# KiCad board PANEL7x5_ADS1293.kicad_pcb (continued)
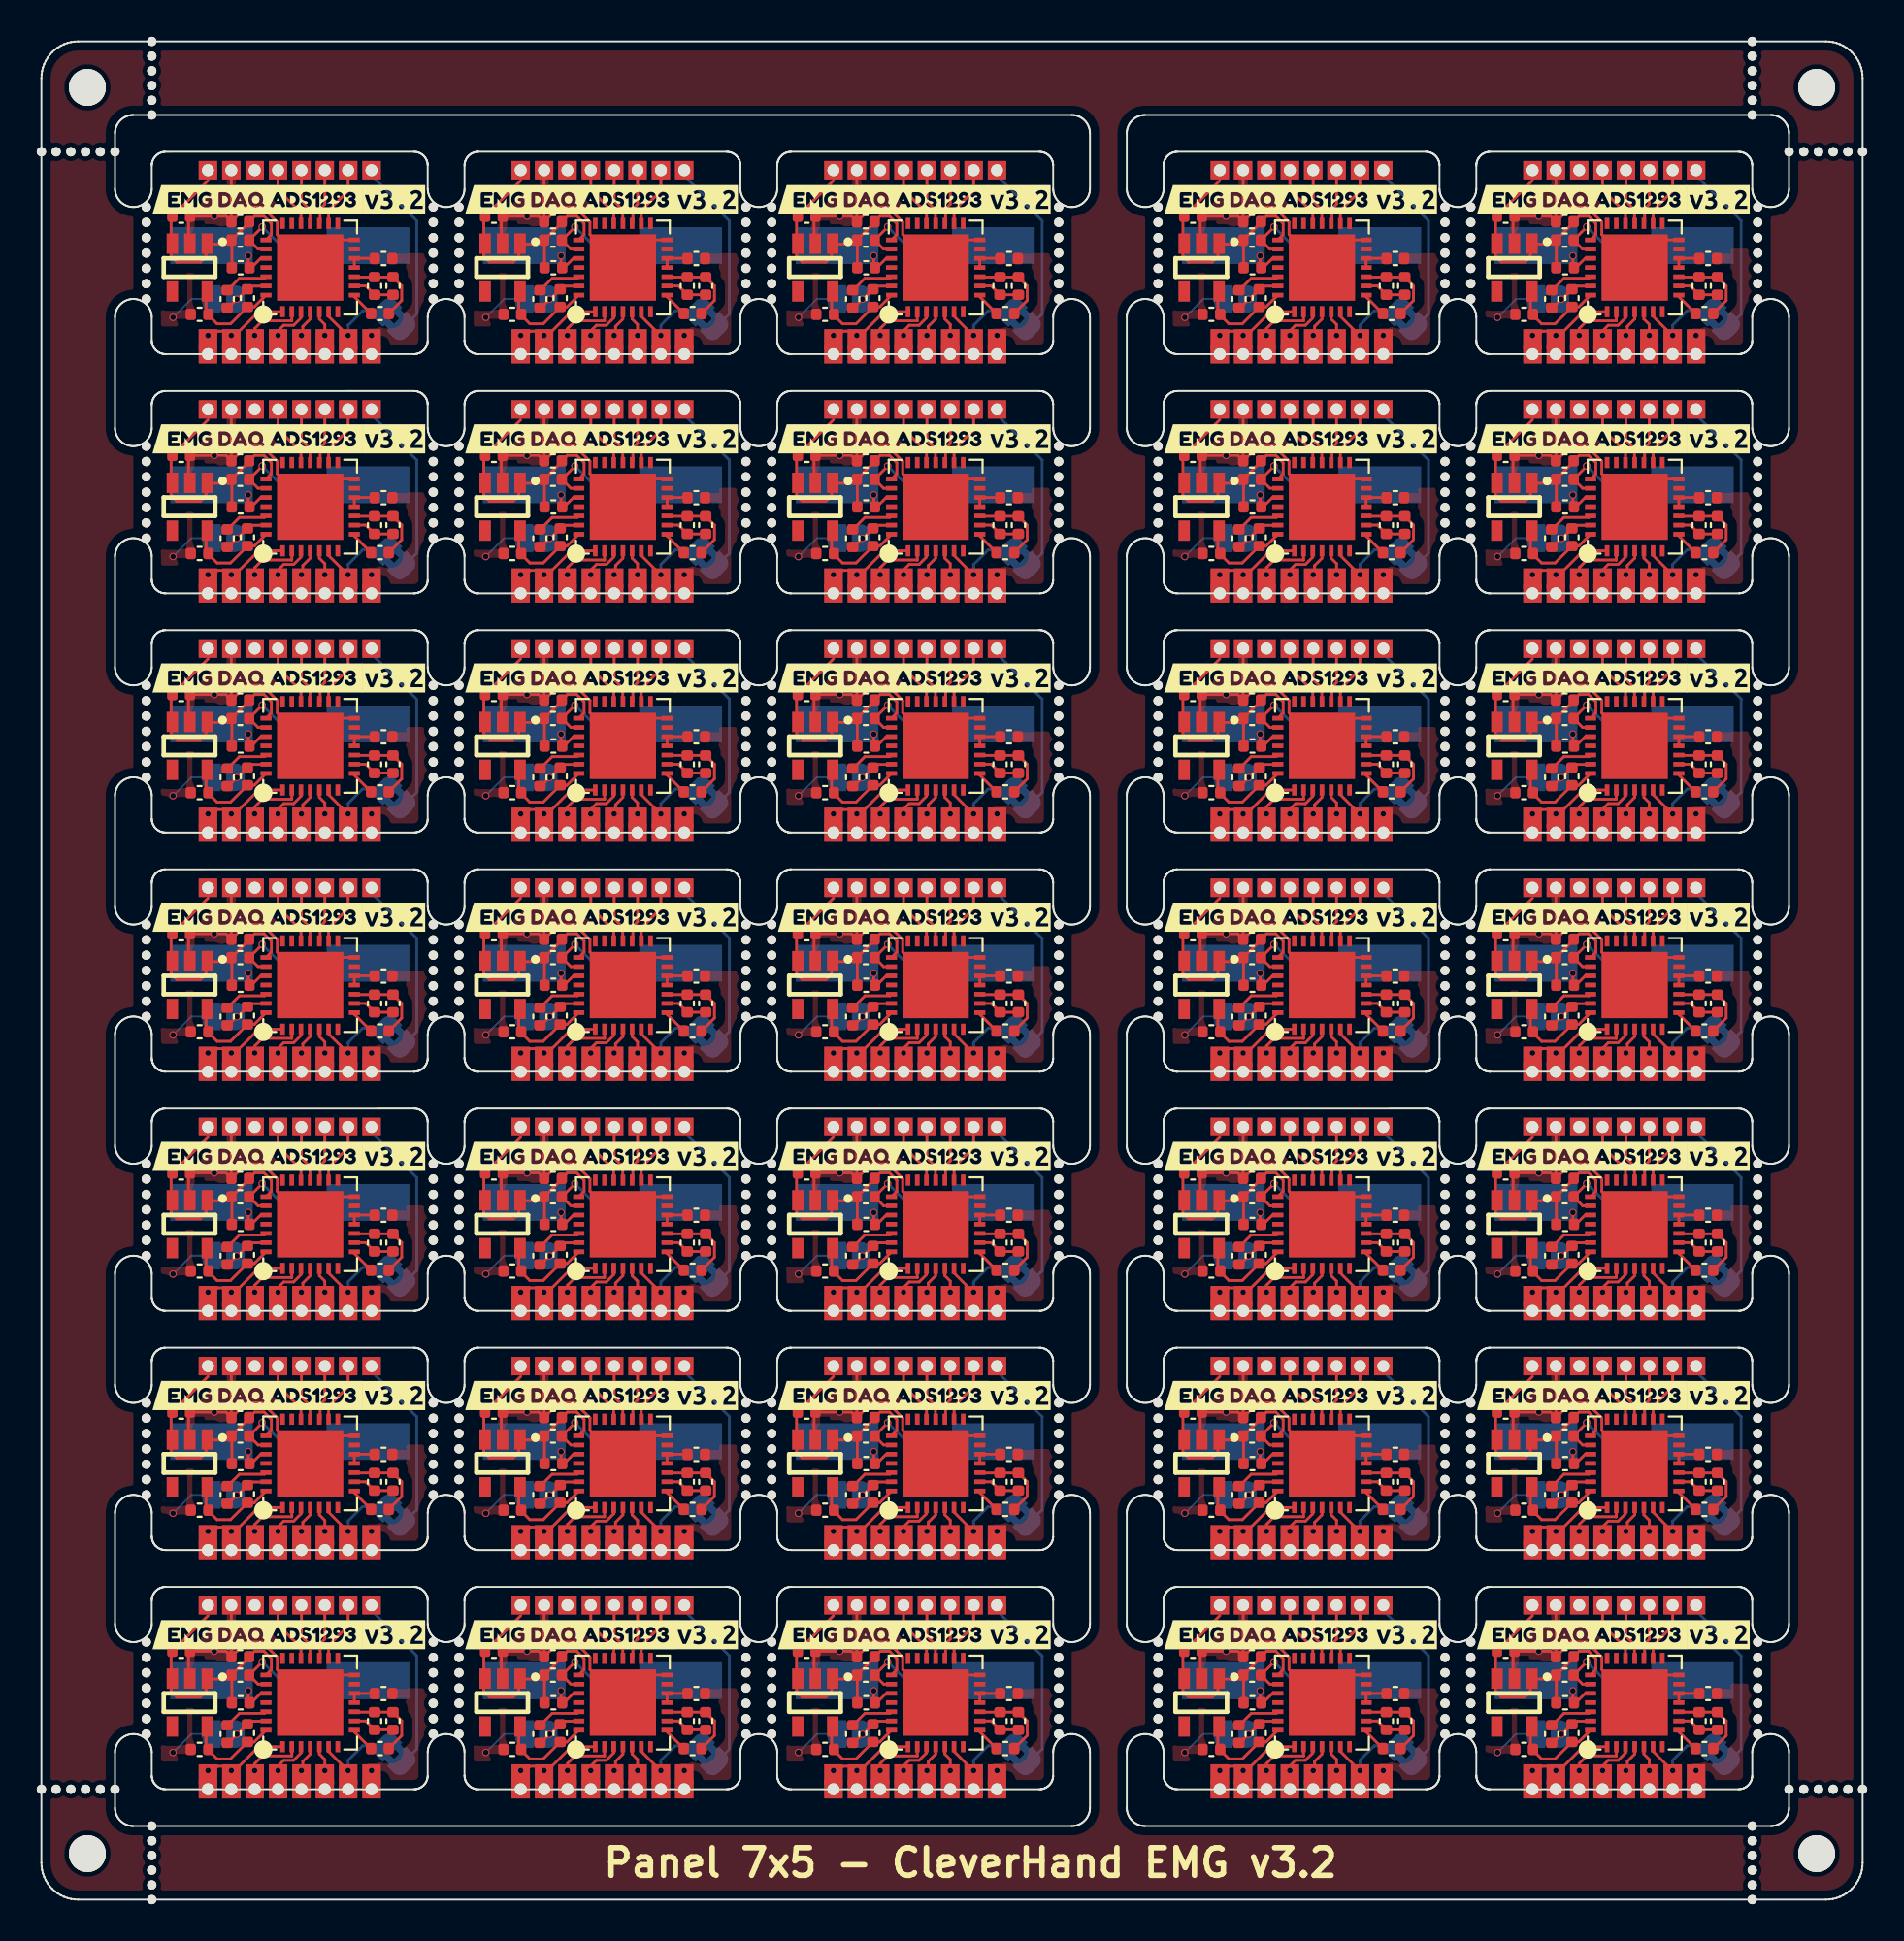
[diagram p0: board, top side]
## Routing (per net, layer and track width the routed paths; a pad name or vN(x,y) marks a point on that pad's centre or on a via; arc(x,y) is an arc through that point) (continued)
Board_0-/CMOUT: length 1.4
  Top w0.15: U1#15.8 17.01,87.12 R1#30.2
Board_0-/CSB: length 3.3
  Top w0.15: J12#17.1 16.68,92.88 15.61,91.81 U1#15.16
Board_0-/cvref: length 2.4
  Top w0.15: U1#15.26 12.12,88.12 10.77,88.12 10.12,87.48 C2#17.1
Board_0-/extRef: length 9.5
  Bottom w0.15: 18.15,93.5 20.4,91.25 20.4,86.18 JP2#7.1 ; 18.15,94 J7#23.1
Board_0-/in1: length 6.5
  Top w0.15: 10.3,85.25 10.75,85.25 11.81,86.31 U1#15.1 ; 10.3,85.25 9.57,85.25 9.34,85.02 v1(9.05,85.02) ; 10.3,85.25 10.3,85.04 v1(10.33,85.02) 10.3,85 10.3,84.09 10.33,84.09 ; 9.05,84.73 J2#29.1
Board_0-/in2: length 4
  Top w0.15: 11.59,84.09 v1(11.59,85.02) 11.59,85.39 12.01,85.81 13.61,85.81 U1#15.2
Board_0-/in3: length 3.1
  Top w0.15: U1#15.3 14.11,85.97 13.71,85.57 13.17,85.57 12.87,85.27 v1(12.87,85.02) J5#8.1
Board_0-/in4: length 2.6
  Top w0.15: J6#10.1 14.21,84.08 14.21,84.94 v1(14.14,85.02) 14.21,85.09 14.21,85.51 14.61,85.91 U1#15.4 ; 14.11,84.11 14.14,84.09
Board_0-/in5: length 2.5
  Top w0.15: 15.32,84.09 15.41,84.09 ; U1#15.5 15.11,85.91 15.41,85.62 v1(15.41,85.02) J8#7.1
Board_0-/in6: length 7.3
  Top w0.15: U1#15.6 15.61,86.06 16.68,84.99 J15#33.1
  Bottom w0.15: 18.55,85.9 18.74,86.09 JP2#7.2 17.46,86.36 16.68,85.58 v1(16.68,85.02) J15#33.1
Board_0-/PICO: length 3.1
  Top w0.15: J10#12.1 14.14,92.31 14.6,91.85 14.6,91.12 U1#15.18
Board_0-/POCI: length 3.4
  Top w0.15: U1#15.19 14.11,91.69 12.87,92.94 J9#22.1
Board_0-/RLDINV: length 4.6
  Top w0.15: U1#15.10 17.03,88.19 C6#16.1 R2#32.1 19.59,87.72 19.59,86.92 R1#30.1
Board_0-/RLDOUT: length 2.3
  Top w0.15: U1#15.9 17.63,87.71 C6#16.2 R2#32.2
Board_0-/RLDREF: length 1.6
  Top w0.15: C7#15.1 18.11,89.21 U1#15.12 U1#15.11
Board_0-/SCLK: length 2.5
  Top w0.15: 15.41,93.5 15.41,92.16 15.15,91.9 15.15,91.15 U1#15.17
Board_0-GND: length 18.1
  Top w0.15: U1#15.14 16.11,90.21 U1#15.29 12.82,90.5 12.82,91.18 12,92 11.13,92 C5#34.2 ; C5#34.2 10.33,91.21 10.33,93.5 ; C5#34.2 10.03,91.5 C9#20.2 8,91.42 8,89.98
  Bottom w0.1: JP1#30.1 8.16,87 v1(7.16,86)
  vias: v1(9.4,91.5)
Board_0-GNDA: length 2.7
  Top w0.15: U1#15.27 12.2,87.7 11.37,87.7 C1#13.2 10.66,86.99 v1(10.62,86.99) ; v1(10.62,86.99) 10.16,86.52 C2#17.2 ; v1(10.62,86.99) 10.67,86.95
  vias: v1(17.95,85.02)
Board_0-XTAL1: length 8.3
  Top w0.15: U1#15.23 11.78,89.71 C4#23.2 12,90.91 v1(12,90.92)
  Bottom w0.15: v1(12,90.92) 13.02,89.9 Y1#30.1
Board_0-XTAL2: length 4.2
  Top w0.15: v1(11.25,89.35) 11.25,88.66 11.31,88.6 11.92,89.21 U1#15.24
  Bottom w0.15: Y1#30.2 10.7,89.9 v1(11.25,89.35)
Board_1-+3.3V: length 14.8
  Top w0.15: 27.35,88.6 27.35,90.18 C4#25.1 ; C4#25.1 28.29,91.16 C5#29.1 28.59,91.5 29.1,91.5 29.5,91.1 29.5,90.5 U1#28.22 ; C4#25.1 27.12,89.98 25.95,89.98 25.95,89.31 25.64,89 24.36,89 24.05,89.31 24.05,91.43 C9#10.1 26.06,93.44 ; J13#32.1 26.06,93.94
Board_1-+3.3VA: length 5.5
  Top w0.15: 25.95,87.61 25.95,86.3 C8#33.1 26.08,86.12 26.55,85.65 27.28,85.65 C1#29.1 28.57,86.57 U1#28.28
Board_1-/CMOUT: length 1.4
  Top w0.15: R1#25.2 34.01,87.12 U1#28.8
Board_1-/CSB: length 3.3
  Top w0.15: U1#28.16 32.61,91.81 33.68,92.88 J12#13.1
Board_1-/cvref: length 2.4
  Top w0.15: U1#28.26 29.12,88.12 27.77,88.12 27.12,87.48 C2#11.1
Board_1-/extRef: length 9.5
  Bottom w0.15: 35.15,94 J7#10.1 ; JP2#3.1 37.4,86.18 37.4,91.25 35.15,93.5
Board_1-/in1: length 6.5
  Top w0.15: v1(26.06,85.02) 26.34,85.02 26.57,85.25 27.31,85.25 ; 27.31,85.25 27.31,85.04 v1(27.33,85.02) 27.31,85 27.31,84.09 27.33,84.09 ; 27.31,85.25 27.75,85.25 28.81,86.31 U1#28.1 ; 26.06,84.73 J2#9.1
Board_1-/in2: length 4
  Top w0.15: 28.6,84.09 v1(28.6,85.02) 28.6,85.39 29.01,85.81 30.61,85.81 U1#28.2
Board_1-/in3: length 3.1
  Top w0.15: U1#28.3 31.11,85.97 30.71,85.57 30.17,85.57 29.87,85.27 v1(29.87,85.02) J5#9.1
Board_1-/in4: length 2.6
  Top w0.15: U1#28.4 31.61,85.91 31.21,85.51 31.21,85.09 v1(31.14,85.02) 31.21,84.94 31.21,84.08 J6#17.1 ; 31.11,84.11 31.14,84.09
Board_1-/in5: length 2.5
  Top w0.15: U1#28.5 32.11,85.91 32.41,85.62 v1(32.41,85.02) J8#26.1 ; 32.32,84.09 32.41,84.09
Board_1-/in6: length 7.3
  Top w0.15: J15.1 33.68,84.99 32.61,86.06 U1#28.6
  Bottom w0.15: J15.1 v1(33.68,85.02) 33.68,85.58 34.46,86.36 JP2#3.2 35.74,86.09 35.55,85.9
Board_1-/PICO: length 3.1
  Top w0.15: J10#34.1 31.14,92.31 31.6,91.85 31.6,91.12 U1#28.18
Board_1-/POCI: length 3.4
  Top w0.15: U1#28.19 31.11,91.69 29.87,92.94 J9#20.1
Board_1-/RLDINV: length 4.6
  Top w0.15: R1#25.1 36.59,86.92 36.59,87.72 R2#35.1 C6#23.1 34.03,88.19 U1#28.10
Board_1-/RLDOUT: length 2.3
  Top w0.15: U1#28.9 34.63,87.71 C6#23.2 R2#35.2
Board_1-/RLDREF: length 1.6
  Top w0.15: C7#13.1 35.11,89.21 U1#28.12 U1#28.11
Board_1-/SCLK: length 2.5
  Top w0.15: U1#28.17 32.15,91.15 32.15,91.9 32.41,92.16 32.41,93.5
Board_1-GND: length 18.1
  Top w0.15: C5#29.2 28.13,92 29,92 29.82,91.18 29.82,90.5 U1#28.29 33.11,90.21 U1#28.14 ; C5#29.2 27.33,91.21 27.33,93.5 ; C5#29.2 27.03,91.5 C9#10.2 25,91.42 25,89.98
  Bottom w0.1: v1(24.16,86) 25.16,87 JP1#31.1
  vias: v1(26.4,91.5)
Board_1-GNDA: length 2.7
  Top w0.15: v1(27.63,86.99) 27.66,86.99 C1#29.2 28.37,87.7 29.2,87.7 U1#28.27 ; v1(27.63,86.99) 27.67,86.95 ; v1(27.63,86.99) 27.16,86.52 C2#11.2
  vias: v1(34.95,85.02)
Board_1-XTAL1: length 8.3
  Top w0.15: v1(29,90.92) 29,90.91 C4#25.2 28.78,89.71 U1#28.23
  Bottom w0.15: Y1#11.1 30.03,89.9 v1(29,90.92)
Board_1-XTAL2: length 4.2
  Top w0.15: U1#28.24 28.92,89.21 28.31,88.6 28.25,88.66 v1(28.25,89.35)
  Bottom w0.15: v1(28.25,89.35) 27.7,89.9 Y1#11.2
Board_2-+3.3V: length 14.8
  Top w0.15: C4#35.1 44.12,89.98 42.95,89.98 42.95,89.31 42.64,89 41.36,89 41.05,89.31 41.05,91.43 C9#5.1 43.05,93.44 ; C4#35.1 44.35,90.18 44.35,88.6 ; C4#35.1 45.29,91.16 C5#11.1 45.59,91.5 46.1,91.5 46.5,91.1 46.5,90.5 U1#11.22 ; J13#24.1 43.05,93.94
Board_2-+3.3VA: length 5.5
  Top w0.15: 42.95,87.61 42.95,86.3 C8#21.1 43.08,86.12 43.55,85.65 44.28,85.65 C1#19.1 45.57,86.57 U1#11.28
Board_2-/CMOUT: length 1.4
  Top w0.15: R1#9.2 51.01,87.12 U1#11.8
Board_2-/CSB: length 3.3
  Top w0.15: J12#31.1 50.68,92.88 49.61,91.81 U1#11.16
Board_2-/cvref: length 2.4
  Top w0.15: C2#2.1 44.12,87.48 44.77,88.12 46.12,88.12 U1#11.26
Board_2-/extRef: length 9.5
  Bottom w0.15: JP2#20.1 54.4,86.18 54.4,91.25 52.15,93.5 ; 52.15,94 J7#30.1
Board_2-/in1: length 6.5
  Top w0.15: 44.3,85.25 44.75,85.25 45.81,86.31 U1#11.1 ; 44.3,85.25 43.57,85.25 43.34,85.02 v1(43.05,85.02) ; 44.3,85.25 44.3,85.04 v1(44.33,85.02) 44.3,85 44.3,84.09 44.33,84.09 ; 43.05,84.73 J2#17.1
Board_2-/in2: length 4
  Top w0.15: 45.59,84.09 v1(45.59,85.02) 45.59,85.39 46.01,85.81 47.61,85.81 U1#11.2
Board_2-/in3: length 3.1
  Top w0.15: U1#11.3 48.11,85.97 47.71,85.57 47.17,85.57 46.87,85.27 v1(46.87,85.02) J5#10.1
Board_2-/in4: length 2.6
  Top w0.15: J6#15.1 48.21,84.08 48.21,84.94 v1(48.14,85.02) 48.21,85.09 48.21,85.51 48.61,85.91 U1#11.4 ; 48.11,84.11 48.14,84.09
Board_2-/in5: length 2.5
  Top w0.15: J8#34.1 v1(49.41,85.02) 49.41,85.62 49.11,85.91 U1#11.5 ; 49.32,84.09 49.41,84.09
Board_2-/in6: length 7.3
  Top w0.15: J15#25.1 50.68,84.99 49.61,86.06 U1#11.6
  Bottom w0.15: 52.55,85.9 52.74,86.09 JP2#20.2 51.46,86.36 50.68,85.58 v1(50.68,85.02) J15#25.1
Board_2-/PICO: length 3.1
  Top w0.15: J10#27.1 48.14,92.31 48.6,91.85 48.6,91.12 U1#11.18
Board_2-/POCI: length 3.4
  Top w0.15: U1#11.19 48.11,91.69 46.87,92.94 J9#19.1
Board_2-/RLDINV: length 4.6
  Top w0.15: U1#11.10 51.03,88.19 C6#8.1 R2#16.1 53.59,87.72 53.59,86.92 R1#9.1
Board_2-/RLDOUT: length 2.3
  Top w0.15: R2#16.2 C6#8.2 51.63,87.71 U1#11.9
Board_2-/RLDREF: length 1.6
  Top w0.15: C7#30.1 52.11,89.21 U1#11.12 U1#11.11
Board_2-/SCLK: length 2.5
  Top w0.15: 49.41,93.5 49.41,92.16 49.15,91.9 49.15,91.15 U1#11.17
Board_2-GND: length 18.1
  Top w0.15: C5#11.2 45.13,92 46,92 46.82,91.18 46.82,90.5 U1#11.29 50.11,90.21 U1#11.14 ; C5#11.2 44.03,91.5 C9#5.2 42,91.42 42,89.98 ; C5#11.2 44.33,91.21 44.33,93.5
  Bottom w0.1: v1(41.16,86) 42.16,87 JP1#2.1
  vias: v1(43.4,91.5)
Board_2-GNDA: length 2.7
  Top w0.15: U1#11.27 46.2,87.7 45.37,87.7 C1#19.2 44.66,86.99 v1(44.62,86.99) ; C2#2.2 44.16,86.52 v1(44.62,86.99) ; v1(44.62,86.99) 44.67,86.95
  vias: v1(51.95,85.02)
Board_2-XTAL1: length 8.3
  Top w0.15: v1(46,90.92) 46,90.91 C4#35.2 45.78,89.71 U1#11.23
  Bottom w0.15: Y1#17.1 47.02,89.9 v1(46,90.92)
Board_2-XTAL2: length 4.2
  Top w0.15: v1(45.25,89.35) 45.25,88.66 45.31,88.6 45.92,89.21 U1#11.24
  Bottom w0.15: Y1#17.2 44.7,89.9 v1(45.25,89.35)
Board_3-+3.3V: length 14.8
  Top w0.15: 64.06,93.44 C9#22.1 62.05,91.43 62.05,89.31 62.36,89 63.64,89 63.95,89.31 63.95,89.98 65.12,89.98 C4#4.1 ; J13#25.1 64.06,93.94 ; C4#4.1 65.35,90.18 65.35,88.6 ; C4#4.1 66.29,91.16 C5#16.1 66.59,91.5 67.1,91.5 67.5,91.1 67.5,90.5 U1#7.22
Board_3-+3.3VA: length 5.5
  Top w0.15: U1#7.28 66.57,86.57 C1#8.1 65.28,85.65 64.55,85.65 64.08,86.12 C8#19.1 63.95,86.3 63.95,87.61
Board_3-/CMOUT: length 1.4
  Top w0.15: R1#27.2 72.01,87.12 U1#7.8
Board_3-/CSB: length 3.3
  Top w0.15: U1#7.16 70.61,91.81 71.67,92.88 J12#19.1
Board_3-/cvref: length 2.4
  Top w0.15: C2#28.1 65.12,87.48 65.77,88.12 67.12,88.12 U1#7.26
Board_3-/extRef: length 9.5
  Bottom w0.15: 73.15,93.5 75.4,91.25 75.4,86.18 JP2#25.1 ; 73.15,94 J7#28.1
Board_3-/in1: length 6.5
  Top w0.15: 65.31,85.25 65.31,85.04 v1(65.33,85.02) 65.31,85 65.31,84.09 65.33,84.09 ; 65.31,85.25 64.57,85.25 64.34,85.02 v1(64.06,85.02) ; 65.31,85.25 65.75,85.25 66.81,86.31 U1#7.1 ; 64.06,84.73 J2#25.1
Board_3-/in2: length 4
  Top w0.15: U1#7.2 68.61,85.81 67.01,85.81 66.59,85.39 v1(66.59,85.02) 66.59,84.09
Board_3-/in3: length 3.1
  Top w0.15: U1#7.3 69.11,85.97 68.71,85.57 68.17,85.57 67.87,85.27 v1(67.87,85.02) J5#4.1
Board_3-/in4: length 2.6
  Top w0.15: J6#19.1 69.21,84.08 69.21,84.94 v1(69.14,85.02) 69.21,85.09 69.21,85.51 69.61,85.91 U1#7.4 ; 69.11,84.11 69.14,84.09
Board_3-/in5: length 2.5
  Top w0.15: U1#7.5 70.11,85.91 70.41,85.62 v1(70.41,85.02) J8#29.1 ; 70.32,84.09 70.41,84.09
Board_3-/in6: length 7.3
  Top w0.15: U1#7.6 70.61,86.06 71.67,84.99 J15#18.1
  Bottom w0.15: J15#18.1 v1(71.67,85.02) 71.67,85.58 72.46,86.36 JP2#25.2 73.74,86.09 73.55,85.9
Board_3-/PICO: length 3.1
  Top w0.15: J10#35.1 69.14,92.31 69.6,91.85 69.6,91.12 U1#7.18
Board_3-/POCI: length 3.4
  Top w0.15: U1#7.19 69.11,91.69 67.87,92.94 J9#11.1
Board_3-/RLDINV: length 4.6
  Top w0.15: U1#7.10 72.03,88.19 C6#17.1 R2#2.1 74.59,87.72 74.59,86.92 R1#27.1
Board_3-/RLDOUT: length 2.3
  Top w0.15: R2#2.2 C6#17.2 72.63,87.71 U1#7.9
Board_3-/RLDREF: length 1.6
  Top w0.15: C7#7.1 73.11,89.21 U1#7.12 U1#7.11
Board_3-/SCLK: length 2.5
  Top w0.15: U1#7.17 70.15,91.15 70.15,91.9 70.41,92.16 70.41,93.5
Board_3-GND: length 18.1
  Top w0.15: U1#7.14 71.11,90.21 U1#7.29 67.82,90.5 67.82,91.18 67,92 66.13,92 C5#16.2 ; 65.33,93.5 65.33,91.21 C5#16.2 ; 63,89.98 63,91.42 C9#22.2 65.03,91.5 C5#16.2
  Bottom w0.1: JP1.1 63.16,87 v1(62.16,86)
  vias: v1(64.4,91.5)
Board_3-GNDA: length 2.7
  Top w0.15: U1#7.27 67.2,87.7 66.37,87.7 C1#8.2 65.66,86.99 v1(65.62,86.99) ; v1(65.62,86.99) 65.16,86.52 C2#28.2 ; v1(65.62,86.99) 65.67,86.95
  vias: v1(72.94,85.02)
Board_3-XTAL1: length 8.3
  Top w0.15: U1#7.23 66.78,89.71 C4#4.2 67,90.91 v1(67,90.92)
  Bottom w0.15: v1(67,90.92) 68.03,89.9 Y1#6.1
Board_3-XTAL2: length 4.2
  Top w0.15: U1#7.24 66.92,89.21 66.31,88.6 66.25,88.66 v1(66.25,89.35)
  Bottom w0.15: Y1#6.2 65.7,89.9 v1(66.25,89.35)
Board_4-+3.3V: length 14.8
  Top w0.15: C4#34.1 82.35,90.18 82.35,88.6 ; C4#34.1 83.29,91.16 C5#14.1 83.59,91.5 84.1,91.5 84.5,91.1 84.5,90.5 U1#18.22 ; C4#34.1 82.12,89.98 80.95,89.98 80.95,89.31 80.64,89 79.36,89 79.05,89.31 79.05,91.43 C9#3.1 81.06,93.44 ; J13#19.1 81.06,93.94
Board_4-+3.3VA: length 5.5
  Top w0.15: U1#18.28 83.57,86.57 C1#25.1 82.28,85.65 81.55,85.65 81.08,86.12 C8#10.1 80.95,86.3 80.95,87.61
Board_4-/CMOUT: length 1.4
  Top w0.15: U1#18.8 89.01,87.12 R1#10.2
Board_4-/CSB: length 3.3
  Top w0.15: U1#18.16 87.61,91.81 88.68,92.88 J12#28.1
Board_4-/cvref: length 2.4
  Top w0.15: U1#18.26 84.12,88.12 82.77,88.12 82.12,87.48 C2#19.1
Board_4-/extRef: length 9.5
  Bottom w0.15: 90.15,93.5 92.4,91.25 92.4,86.18 JP2#29.1 ; 90.15,94 J7#18.1
Board_4-/in1: length 6.5
  Top w0.15: 82.33,84.09 82.31,84.09 82.31,85 v1(82.33,85.02) 82.31,85.04 82.31,85.25 ; 81.06,84.73 J2#24.1 ; v1(81.06,85.02) 81.34,85.02 81.57,85.25 82.31,85.25 ; U1#18.1 83.81,86.31 82.75,85.25 82.31,85.25
Board_4-/in2: length 4
  Top w0.15: U1#18.2 85.61,85.81 84.01,85.81 83.59,85.39 v1(83.59,85.02) 83.59,84.09
Board_4-/in3: length 3.1
  Top w0.15: J5#14.1 v1(84.87,85.02) 84.87,85.27 85.17,85.57 85.71,85.57 86.11,85.97 U1#18.3
Board_4-/in4: length 2.6
  Top w0.15: J6#22.1 86.21,84.08 86.21,84.94 v1(86.14,85.02) 86.21,85.09 86.21,85.51 86.61,85.91 U1#18.4 ; 86.11,84.11 86.14,84.09
Board_4-/in5: length 2.5
  Top w0.15: J8#21.1 v1(87.41,85.02) 87.41,85.62 87.11,85.91 U1#18.5 ; 87.32,84.09 87.41,84.09
Board_4-/in6: length 7.3
  Top w0.15: U1#18.6 87.61,86.06 88.68,84.99 J15#24.1
  Bottom w0.15: J15#24.1 v1(88.68,85.02) 88.68,85.58 89.46,86.36 JP2#29.2 90.74,86.09 90.55,85.9
Board_4-/PICO: length 3.1
  Top w0.15: J10#4.1 86.14,92.31 86.6,91.85 86.6,91.12 U1#18.18
Board_4-/POCI: length 3.4
  Top w0.15: U1#18.19 86.11,91.69 84.87,92.94 J9#33.1
Board_4-/RLDINV: length 4.6
  Top w0.15: R1#10.1 91.59,86.92 91.59,87.72 R2.1 C6#27.1 89.03,88.19 U1#18.10
Board_4-/RLDOUT: length 2.3
  Top w0.15: U1#18.9 89.63,87.71 C6#27.2 R2.2
Board_4-/RLDREF: length 1.6
  Top w0.15: U1#18.11 U1#18.12 90.11,89.21 C7#26.1
Board_4-/SCLK: length 2.5
  Top w0.15: 87.41,93.5 87.41,92.16 87.15,91.9 87.15,91.15 U1#18.17
Board_4-GND: length 18.1
  Top w0.15: C5#14.2 82.03,91.5 C9#3.2 80,91.42 80,89.98 ; C5#14.2 83.13,92 84,92 84.82,91.18 84.82,90.5 U1#18.29 88.11,90.21 U1#18.14 ; C5#14.2 82.33,91.21 82.33,93.5
  Bottom w0.1: JP1#29.1 80.16,87 v1(79.16,86)
  vias: v1(81.4,91.5)
Board_4-GNDA: length 2.7
  Top w0.15: U1#18.27 84.2,87.7 83.37,87.7 C1#25.2 82.66,86.99 v1(82.62,86.99) ; v1(82.62,86.99) 82.16,86.52 C2#19.2 ; v1(82.62,86.99) 82.67,86.95
  vias: v1(89.94,85.02)
Board_4-XTAL1: length 8.3
  Top w0.15: v1(84,90.92) 84,90.91 C4#34.2 83.78,89.71 U1#18.23
  Bottom w0.15: Y1#10.1 85.03,89.9 v1(84,90.92)
Board_4-XTAL2: length 4.2
  Top w0.15: v1(83.25,89.35) 83.25,88.66 83.31,88.6 83.92,89.21 U1#18.24
  Bottom w0.15: v1(83.25,89.35) 82.7,89.9 Y1#10.2
Board_5-+3.3V: length 14.8
  Top w0.15: C4#30.1 10.12,76.98 8.95,76.98 8.95,76.31 8.64,76 7.36,76 7.05,76.31 7.05,78.43 C9#24.1 9.05,80.44 ; C4#30.1 10.35,77.18 10.35,75.6 ; C4#30.1 11.29,78.16 C5#7.1 11.59,78.5 12.1,78.5 12.5,78.1 12.5,77.5 U1#23.22 ; J13#33.1 9.05,80.94
Board_5-+3.3VA: length 5.5
  Top w0.15: 8.95,74.61 8.95,73.3 C8#17.1 9.08,73.12 9.55,72.65 10.28,72.65 C1#24.1 11.57,73.57 U1#23.28
Board_5-/CMOUT: length 1.4
  Top w0.15: U1#23.8 17.01,74.12 R1#26.2
Board_5-/CSB: length 3.3
  Top w0.15: J12#10.1 16.68,79.88 15.61,78.81 U1#23.16
Board_5-/cvref: length 2.4
  Top w0.15: U1#23.26 12.12,75.12 10.77,75.12 10.12,74.48 C2#9.1
Board_5-/extRef: length 9.5
  Bottom w0.15: JP2#14.1 20.4,73.18 20.4,78.25 18.15,80.5 ; 18.15,81 J7#11.1
Board_5-/in1: length 6.5
  Top w0.15: 10.3,72.25 9.57,72.25 9.34,72.02 v1(9.05,72.02) ; 10.3,72.25 10.3,72.04 v1(10.33,72.02) 10.3,72 10.3,71.09 10.33,71.09 ; 10.3,72.25 10.75,72.25 11.81,73.31 U1#23.1 ; 9.05,71.73 J2#8.1
Board_5-/in2: length 4
  Top w0.15: U1#23.2 13.61,72.81 12.01,72.81 11.59,72.39 v1(11.59,72.02) 11.59,71.09
Board_5-/in3: length 3.1
  Top w0.15: U1#23.3 14.11,72.97 13.71,72.57 13.17,72.57 12.87,72.27 v1(12.87,72.02) J5#3.1
Board_5-/in4: length 2.6
  Top w0.15: J6#8.1 14.21,71.08 14.21,71.94 v1(14.14,72.02) 14.21,72.09 14.21,72.51 14.61,72.91 U1#23.4 ; 14.11,71.11 14.14,71.09
Board_5-/in5: length 2.5
  Top w0.15: J8#14.1 v1(15.41,72.02) 15.41,72.62 15.11,72.91 U1#23.5 ; 15.32,71.09 15.41,71.09
Board_5-/in6: length 7.3
  Top w0.15: U1#23.6 15.61,73.06 16.68,71.99 J15#32.1
  Bottom w0.15: 18.55,72.9 18.74,73.09 JP2#14.2 17.46,73.36 16.68,72.58 v1(16.68,72.02) J15#32.1
Board_5-/PICO: length 3.1
  Top w0.15: U1#23.18 14.6,78.12 14.6,78.85 14.14,79.31 J10#6.1
Board_5-/POCI: length 3.4
  Top w0.15: J9#6.1 12.87,79.94 14.11,78.69 U1#23.19
Board_5-/RLDINV: length 4.6
  Top w0.15: U1#23.10 17.03,75.19 C6#32.1 R2#27.1 19.59,74.72 19.59,73.92 R1#26.1
Board_5-/RLDOUT: length 2.3
  Top w0.15: U1#23.9 17.63,74.71 C6#32.2 R2#27.2
Board_5-/RLDREF: length 1.6
  Top w0.15: U1#23.11 U1#23.12 18.11,76.21 C7#29.1
Board_5-/SCLK: length 2.5
  Top w0.15: 15.41,80.5 15.41,79.16 15.15,78.9 15.15,78.15 U1#23.17
Board_5-GND: length 18.1
  Top w0.15: 8,76.98 8,78.42 C9#24.2 10.03,78.5 C5#7.2 ; 10.33,80.5 10.33,78.21 C5#7.2 ; U1#23.14 16.11,77.21 U1#23.29 12.82,77.5 12.82,78.18 12,79 11.13,79 C5#7.2
  Bottom w0.1: v1(7.16,73) 8.16,74 JP1#3.1
  vias: v1(9.4,78.5)
Board_5-GNDA: length 2.7
  Top w0.15: v1(10.62,73.99) 10.16,73.52 C2#9.2 ; v1(10.62,73.99) 10.66,73.99 C1#24.2 11.37,74.7 12.2,74.7 U1#23.27 ; v1(10.62,73.99) 10.67,73.95
  vias: v1(17.95,72.02)
Board_5-XTAL1: length 8.3
  Top w0.15: v1(12,77.92) 12,77.91 C4#30.2 11.78,76.71 U1#23.23
  Bottom w0.15: Y1#9.1 13.02,76.9 v1(12,77.92)
Board_5-XTAL2: length 4.2
  Top w0.15: v1(11.25,76.35) 11.25,75.66 11.31,75.6 11.92,76.21 U1#23.24
  Bottom w0.15: Y1#9.2 10.7,76.9 v1(11.25,76.35)
Board_6-+3.3V: length 14.8
  Top w0.15: 26.06,80.44 C9#9.1 24.05,78.43 24.05,76.31 24.36,76 25.64,76 25.95,76.31 25.95,76.98 27.12,76.98 C4#21.1 ; 27.35,75.6 27.35,77.18 C4#21.1 ; J13#23.1 26.06,80.94 ; U1#31.22 29.5,77.5 29.5,78.1 29.1,78.5 28.59,78.5 C5#23.1 28.29,78.16 C4#21.1
Board_6-+3.3VA: length 5.5
  Top w0.15: 25.95,74.61 25.95,73.3 C8#22.1 26.08,73.12 26.55,72.65 27.28,72.65 C1#7.1 28.57,73.57 U1#31.28
Board_6-/CMOUT: length 1.4
  Top w0.15: R1#28.2 34.01,74.12 U1#31.8
Board_6-/CSB: length 3.3
  Top w0.15: U1#31.16 32.61,78.81 33.68,79.88 J12#8.1
Board_6-/cvref: length 2.4
  Top w0.15: C2.1 27.12,74.48 27.77,75.12 29.12,75.12 U1#31.26
Board_6-/extRef: length 9.5
  Bottom w0.15: JP2#35.1 37.4,73.18 37.4,78.25 35.15,80.5 ; 35.15,81 J7#34.1
Board_6-/in1: length 6.5
  Top w0.15: U1#31.1 28.81,73.31 27.75,72.25 27.31,72.25 ; 27.33,71.09 27.31,71.09 27.31,72 v1(27.33,72.02) 27.31,72.04 27.31,72.25 ; 26.06,71.73 J2#6.1 ; 27.31,72.25 26.57,72.25 26.34,72.02 v1(26.06,72.02)
Board_6-/in2: length 4
  Top w0.15: 28.6,71.09 v1(28.6,72.02) 28.6,72.39 29.01,72.81 30.61,72.81 U1#31.2
Board_6-/in3: length 3.1
  Top w0.15: U1#31.3 31.11,72.97 30.71,72.57 30.17,72.57 29.87,72.27 v1(29.87,72.02) J5.1
Board_6-/in4: length 2.6
  Top w0.15: J6#20.1 31.21,71.08 31.21,71.94 v1(31.14,72.02) 31.21,72.09 31.21,72.51 31.61,72.91 U1#31.4 ; 31.11,71.11 31.14,71.09
Board_6-/in5: length 2.5
  Top w0.15: U1#31.5 32.11,72.91 32.41,72.62 v1(32.41,72.02) J8#19.1 ; 32.32,71.09 32.41,71.09
Board_6-/in6: length 7.3
  Top w0.15: J15#16.1 33.68,71.99 32.61,73.06 U1#31.6
  Bottom w0.15: J15#16.1 v1(33.68,72.02) 33.68,72.58 34.46,73.36 JP2#35.2 35.74,73.09 35.55,72.9
Board_6-/PICO: length 3.1
  Top w0.15: J10#9.1 31.14,79.31 31.6,78.85 31.6,78.12 U1#31.18
Board_6-/POCI: length 3.4
  Top w0.15: U1#31.19 31.11,78.69 29.87,79.94 J9#27.1
Board_6-/RLDINV: length 4.6
  Top w0.15: U1#31.10 34.03,75.19 C6#5.1 R2#6.1 36.59,74.72 36.59,73.92 R1#28.1
Board_6-/RLDOUT: length 2.3
  Top w0.15: R2#6.2 C6#5.2 34.63,74.71 U1#31.9
Board_6-/RLDREF: length 1.6
  Top w0.15: U1#31.11 U1#31.12 35.11,76.21 C7#8.1
Board_6-/SCLK: length 2.5
  Top w0.15: 32.41,80.5 32.41,79.16 32.15,78.9 32.15,78.15 U1#31.17
Board_6-GND: length 18.1
  Top w0.15: C5#23.2 27.03,78.5 C9#9.2 25,78.42 25,76.98 ; C5#23.2 27.33,78.21 27.33,80.5 ; C5#23.2 28.13,79 29,79 29.82,78.18 29.82,77.5 U1#31.29 33.11,77.21 U1#31.14
  Bottom w0.1: v1(24.16,73) 25.16,74 JP1#24.1
  vias: v1(26.4,78.5)
Board_6-GNDA: length 2.7
  Top w0.15: 27.67,73.95 v1(27.63,73.99) ; v1(27.63,73.99) 27.16,73.52 C2.2 ; v1(27.63,73.99) 27.66,73.99 C1#7.2 28.37,74.7 29.2,74.7 U1#31.27
  vias: v1(34.95,72.02)
Board_6-XTAL1: length 8.3
  Top w0.15: U1#31.23 28.78,76.71 C4#21.2 29,77.91 v1(29,77.92)
  Bottom w0.15: Y1#13.1 30.03,76.9 v1(29,77.92)
Board_6-XTAL2: length 4.2
  Top w0.15: U1#31.24 28.92,76.21 28.31,75.6 28.25,75.66 v1(28.25,76.35)
  Bottom w0.15: v1(28.25,76.35) 27.7,76.9 Y1#13.2
Board_7-+3.3V: length 14.8
  Top w0.15: C4#9.1 44.35,77.18 44.35,75.6 ; C4#9.1 45.29,78.16 C5#9.1 45.59,78.5 46.1,78.5 46.5,78.1 46.5,77.5 U1#30.22 ; C4#9.1 44.12,76.98 42.95,76.98 42.95,76.31 42.64,76 41.36,76 41.05,76.31 41.05,78.43 C9#35.1 43.05,80.44 ; J13#22.1 43.05,80.94
Board_7-+3.3VA: length 5.5
  Top w0.15: 42.95,74.61 42.95,73.3 C8#35.1 43.08,73.12 43.55,72.65 44.28,72.65 C1#9.1 45.57,73.57 U1#30.28
Board_7-/CMOUT: length 1.4
  Top w0.15: R1#6.2 51.01,74.12 U1#30.8
Board_7-/CSB: length 3.3
  Top w0.15: J12#11.1 50.68,79.88 49.61,78.81 U1#30.16
Board_7-/cvref: length 2.4
  Top w0.15: U1#30.26 46.12,75.12 44.77,75.12 44.12,74.48 C2#5.1
Board_7-/extRef: length 9.5
  Bottom w0.15: JP2#11.1 54.4,73.18 54.4,78.25 52.15,80.5 ; 52.15,81 J7#8.1
Board_7-/in1: length 6.5
  Top w0.15: 44.3,72.25 44.75,72.25 45.81,73.31 U1#30.1 ; 44.3,72.25 44.3,72.04 v1(44.33,72.02) 44.3,72 44.3,71.09 44.33,71.09 ; 44.3,72.25 43.57,72.25 43.34,72.02 v1(43.05,72.02) ; 43.05,71.73 J2#4.1
Board_7-/in2: length 4
  Top w0.15: U1#30.2 47.61,72.81 46.01,72.81 45.59,72.39 v1(45.59,72.02) 45.59,71.09
Board_7-/in3: length 3.1
  Top w0.15: U1#30.3 48.11,72.97 47.71,72.57 47.17,72.57 46.87,72.27 v1(46.87,72.02) J5#25.1
Board_7-/in4: length 2.6
  Top w0.15: J6#23.1 48.21,71.08 48.21,71.94 v1(48.14,72.02) 48.21,72.09 48.21,72.51 48.61,72.91 U1#30.4 ; 48.11,71.11 48.14,71.09
Board_7-/in5: length 2.5
  Top w0.15: J8.1 v1(49.41,72.02) 49.41,72.62 49.11,72.91 U1#30.5 ; 49.32,71.09 49.41,71.09
Board_7-/in6: length 7.3
  Top w0.15: U1#30.6 49.61,73.06 50.68,71.99 J15#12.1
  Bottom w0.15: 52.55,72.9 52.74,73.09 JP2#11.2 51.46,73.36 50.68,72.58 v1(50.68,72.02) J15#12.1
Board_7-/PICO: length 3.1
  Top w0.15: J10#15.1 48.14,79.31 48.6,78.85 48.6,78.12 U1#30.18
Board_7-/POCI: length 3.4
  Top w0.15: U1#30.19 48.11,78.69 46.87,79.94 J9#16.1
Board_7-/RLDINV: length 4.6
  Top w0.15: R1#6.1 53.59,73.92 53.59,74.72 R2#24.1 C6#14.1 51.03,75.19 U1#30.10
Board_7-/RLDOUT: length 2.3
  Top w0.15: U1#30.9 51.63,74.71 C6#14.2 R2#24.2
Board_7-/RLDREF: length 1.6
  Top w0.15: U1#30.11 U1#30.12 52.11,76.21 C7#22.1
Board_7-/SCLK: length 2.5
  Top w0.15: U1#30.17 49.15,78.15 49.15,78.9 49.41,79.16 49.41,80.5
Board_7-GND: length 18.1
  Top w0.15: C5#9.2 45.13,79 46,79 46.82,78.18 46.82,77.5 U1#30.29 50.11,77.21 U1#30.14 ; C5#9.2 44.33,78.21 44.33,80.5 ; C5#9.2 44.03,78.5 C9#35.2 42,78.42 42,76.98
  Bottom w0.1: JP1#16.1 42.16,74 v1(41.16,73)
  vias: v1(43.4,78.5)
Board_7-GNDA: length 2.7
  Top w0.15: v1(44.62,73.99) 44.66,73.99 C1#9.2 45.37,74.7 46.2,74.7 U1#30.27 ; v1(44.62,73.99) 44.67,73.95 ; v1(44.62,73.99) 44.16,73.52 C2#5.2
  vias: v1(51.95,72.02)
Board_7-XTAL1: length 8.3
  Top w0.15: U1#30.23 45.78,76.71 C4#9.2 46,77.91 v1(46,77.92)
  Bottom w0.15: v1(46,77.92) 47.02,76.9 Y1#2.1
Board_7-XTAL2: length 4.2
  Top w0.15: v1(45.25,76.35) 45.25,75.66 45.31,75.6 45.92,76.21 U1#30.24
  Bottom w0.15: Y1#2.2 44.7,76.9 v1(45.25,76.35)
Board_8-+3.3V: length 14.8
  Top w0.15: C4#33.1 66.29,78.16 C5#12.1 66.59,78.5 67.1,78.5 67.5,78.1 67.5,77.5 U1#27.22 ; C4#33.1 65.12,76.98 63.95,76.98 63.95,76.31 63.64,76 62.36,76 62.05,76.31 62.05,78.43 C9#19.1 64.06,80.44 ; C4#33.1 65.35,77.18 65.35,75.6 ; J13#5.1 64.06,80.94
Board_8-+3.3VA: length 5.5
  Top w0.15: 63.95,74.61 63.95,73.3 C8#14.1 64.08,73.12 64.55,72.65 65.28,72.65 C1#10.1 66.57,73.57 U1#27.28
Board_8-/CMOUT: length 1.4
  Top w0.15: U1#27.8 72.01,74.12 R1#12.2
Board_8-/CSB: length 3.3
  Top w0.15: J12#26.1 71.67,79.88 70.61,78.81 U1#27.16
Board_8-/cvref: length 2.4
  Top w0.15: C2#29.1 65.12,74.48 65.77,75.12 67.12,75.12 U1#27.26
Board_8-/extRef: length 9.5
  Bottom w0.15: 73.15,80.5 75.4,78.25 75.4,73.18 JP2#15.1 ; 73.15,81 J7#25.1
Board_8-/in1: length 6.5
  Top w0.15: 65.31,72.25 65.31,72.04 v1(65.33,72.02) 65.31,72 65.31,71.09 65.33,71.09 ; 65.31,72.25 64.57,72.25 64.34,72.02 v1(64.06,72.02) ; 65.31,72.25 65.75,72.25 66.81,73.31 U1#27.1 ; 64.06,71.73 J2#12.1
Board_8-/in2: length 4
  Top w0.15: 66.59,71.09 v1(66.59,72.02) 66.59,72.39 67.01,72.81 68.61,72.81 U1#27.2
Board_8-/in3: length 3.1
  Top w0.15: U1#27.3 69.11,72.97 68.71,72.57 68.17,72.57 67.87,72.27 v1(67.87,72.02) J5#11.1
Board_8-/in4: length 2.6
  Top w0.15: J6#34.1 69.21,71.08 69.21,71.94 v1(69.14,72.02) 69.21,72.09 69.21,72.51 69.61,72.91 U1#27.4 ; 69.11,71.11 69.14,71.09
Board_8-/in5: length 2.5
  Top w0.15: J8#31.1 v1(70.41,72.02) 70.41,72.62 70.11,72.91 U1#27.5 ; 70.32,71.09 70.41,71.09
Board_8-/in6: length 7.3
  Top w0.15: J15#5.1 71.67,71.99 70.61,73.06 U1#27.6
  Bottom w0.15: 73.55,72.9 73.74,73.09 JP2#15.2 72.46,73.36 71.67,72.58 v1(71.67,72.02) J15#5.1
Board_8-/PICO: length 3.1
  Top w0.15: U1#27.18 69.6,78.12 69.6,78.85 69.14,79.31 J10#31.1